# Altium PCB HYDRA_V4_LINK_OLD.PcbDoc (part 2 of 2) (continued)
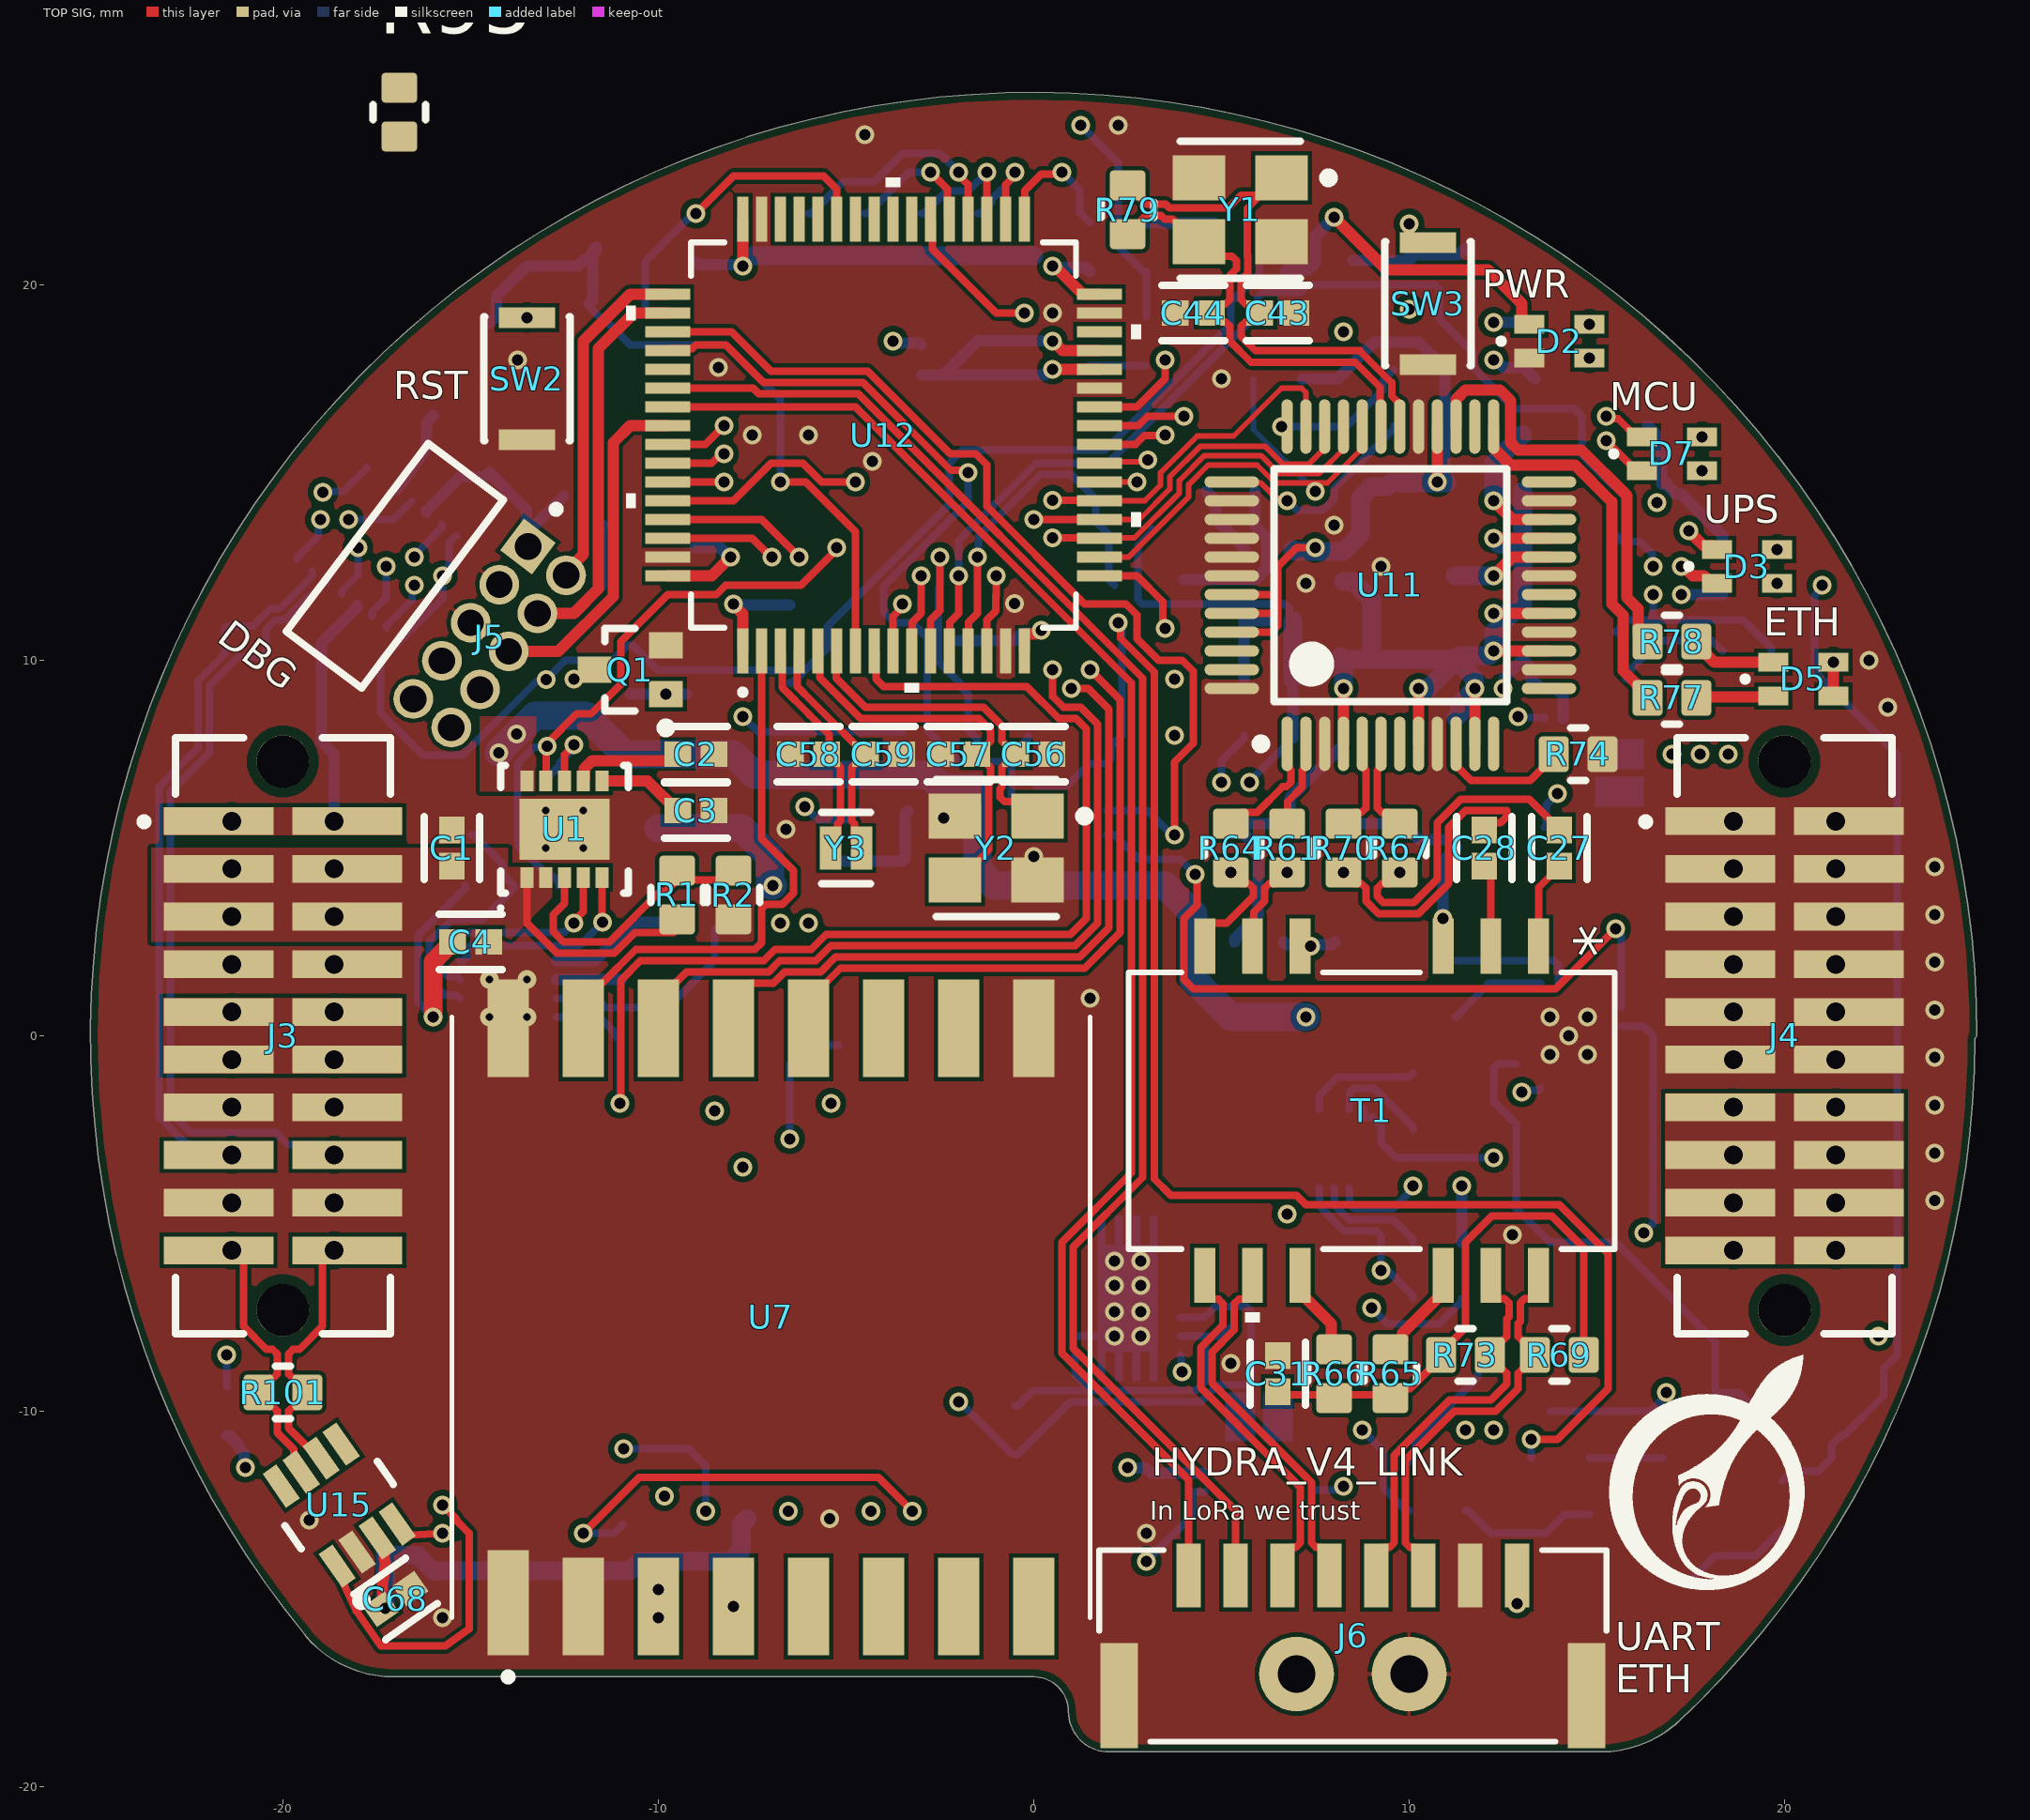
[diagram p0: TOP SIG view]
## Nets (pads, with @x,y where several pads share a name; then routed paths per layer and width w, separated by ;. In a path a pad name is that pad's centre, name@x,y a point inside that pad or via, vN(x,y) a via of type N, cw(c..) or ccw(c..) an arc to the next point about the centre after c; other vN are vias at no path point) (continued)
  BOTTOM SIG w0.2: R56.1@19.942,-11.85 20.192,-11.6 20.9,-11.6 21.249,-11.251 21.249,-10.9 21.499,-10.65 R57.2@21.5,-10.65 21.575,-10.65 22.643,-9.582 22.643,-8.866 23,-8.509 23,7.5 20.8,9.7 20.8,11.733 21,11.933 v1(21,12)
NetR58_2: R58.2 U10.8 | length 3.8
  BOTTOM SIG w0.2: R58.2@11.5,-12.65 11.575,-12.65 12.175,-13.25 13.645,-13.25 14.145,-12.75 U10.8@14.8,-12.75
NetR65_1: R65.1 T1.10 | length 2.6
  TOP SIG w0.3: R65.1@9.5,-8.35 9.575,-8.35 9.825,-8.1 9.825,-7.919 10.905,-6.839 T1.10@10.905,-6.381
NetR66_1: R66.1 T1.9 | length 2.3
  TOP SIG w0.3: T1.9@7.095,-6.381 7.095,-6.839 7.932,-7.676 7.932,-8.282 R66.1@8,-8.35
NetR74_1: R74.1 U11.10 | length 3.7
  TOP SIG w0.2: U11.10@11.25,7.775 11.25,7.2 11.65,6.8 13.225,6.8 13.85,7.425 R74.1@13.85,7.5
NetR81_2: R81.2 U12.17 | length 2.7
  TOP SIG w0.2: U12.17@1.75,12.25 2.75,12.25 3.443,11.557 3.443,10.907 v1(3.5,10.85)
NetR83_1: R83.1 R84.2 U12.26 | length 4.1
  TOP SIG w0.2: U12.26@1.75,16.75 2.75,16.75 3.5,17.5 v1(3.5,18)
  BOTTOM SIG w0.2: R84.2@1.5,17.85 R83.1@3,17.85
NetR93_2: R93.2 SW2.1
  other v1: -13.5,19.125
NetR98_2: R98.2 U13.9 | length 38.6
  PWR + INT SIG w0.2: v1(-17.25,12.5) -18.927,12.5 -19.802,13.375 -19.802,14.83 -19.33,15.302 -18.625,15.302 -18.463,15.14 -15.827,15.14 -15.467,15.5 -14.8,15.5 -14.798,15.502 -12.399,15.502 -12.005,15.108 -9.069,15.108 -8.75,15.427 -8.75,16.457 -4.007,21.2 5.8,21.2 v1(8.25,18.75)
  BOTTOM SIG w0.2: U13.9@-17.63,11.166 -17.63,11.285 -17.25,11.665 v1(-17.25,12.5)
NetU4_11: U4.11 U12.38 | length 60.4
  TOP SIG w0.2: U12.38@-2.75,21.75 -2.698,21.698 -2.698,20.948 -1,19.25 v1(-0.25,19.25)
  GND w0.2: v1@-0.25,19.233 -0.25,14.75 -0.8,14.2 -0.8,12.757 0,11.957 0,11.31 -0.31,11 -1.75,11 -3.79,8.96 -3.79,7.008 -3.625,6.842 -3.625,1.625 -4.797,0.453 -4.797,-1.203 -4.575,-1.425 -4.575,-2.125 -5.052,-2.602 -5.732,-2.602 -6.202,-2.132 -6.202,-1.925 -7.325,-0.802 -8.175,-0.802 -8.998,-1.625 -8.998,-2.825 -9.192,-3.019 -9.192,-11.181 -8.89,-11.484 -2.416,-11.484 -0.9,-13 2,-13 v1(3,-14)
  BOTTOM SIG w0.2: v1(3,-14) 4.225,-12.775 4.225,-12.198 4.275,-12.148 U4.11@4.55,-12.148
NetU7_4: U7.4 U12.14 | length 45.6
  TOP SIG w0.2: U12.14@-1.25,10.25 -1.25,11.073 -1.009,11.315 -1.009,11.716 -1,11.725 v1(-1,12.25)
  GND w0.2: v1(-8,-15.2) -6.173,-15.2 -3.84,-12.867 -3.84,-12.453 -4.508,-11.785 -9.015,-11.785 -9.494,-11.306 -9.494,-2.894 -9.3,-2.7 -9.3,-1.5 -8.3,-0.5 -7.2,-0.5 -5.9,-1.8 -5.9,-2.007 -5.607,-2.3 -5.177,-2.3 -4.9,-2.023 -4.9,-1.527 -5.098,-1.328 -5.098,0.578 -3.927,1.75 -3.927,6.717 -4.092,6.883 -4.092,9.158 v1(-1,12.25)
NetU7_15: U7.15 U12.2 | length 14.9
  TOP SIG w0.2: U7.15@-12,0.2 -12,0.95 -11.55,1.4 -11.5,1.4 -10.595,2.305 -7.422,2.305 -7.25,2.477 -7.25,3.383 -7.133,3.5 -6.7,3.5 -6.4,3.8 -6.4,4.4 -7.25,5.25 U12.2@-7.25,10.25
NetU8_11: U8.11 U12.24 | length 17.6
  TOP SIG w0.2: U12.24@1.75,15.75 2.708,15.75 2.95,15.992 3.499,15.992 v1(3.504,15.996)
  PWR + INT SIG w0.2: v1(3.504,15.996) 3.507,16 4.944,16 5.694,16.75 7,16.75 11.75,12 11.75,11.043 12.043,10.75 12.457,10.75 13.25,9.957 13.25,8.849 v1(12.901,8.5)
  BOTTOM SIG w0.2: v1(12.901,8.5) 12.926,8.475 13.602,8.475 U8.11@13.602,8.45
NetU12_30: U12.30
NetU12_39: U12.39
NetU12_40: U12.40
NetU12_41: U12.41
NetU12_42: U12.42
NetU12_44: U12.44
NetU12_45: U12.45
NetU12_46: U12.46
NetU12_53: U12.53
NetU12_57: U12.57 U13.14 | length 14.8
  TOP SIG w0.2: U12.57@-9.75,15.75 -8.75,15.75 v1(-8.25,16.25)
  GND w0.2: v1(-19,13.75) -18.957,13.75 -17.707,15 -9.5,15 v1(-8.25,16.25)
  BOTTOM SIG w0.2: U13.14@-19.627,12.671 -19.627,12.737 -19.057,13.306 -19.057,13.693 v1(-19,13.75)
NetU12_58: U12.58 U13.4 | length 18.3
  TOP SIG w0.2: U12.58@-9.75,15.25 -8.581,15.25 -8.331,15.5 v1(-8.25,15.5)
  PWR + INT SIG w0.2: v1(-18.25,13.75) -18.75,13.25 -19.25,13.25 -19.5,13.5 -19.5,14.706 -19.206,15 -18.75,15 -18.588,14.838 -15.702,14.838 -15.342,15.198 -14.675,15.198 -14.673,15.2 -12.523,15.2 -12.13,14.806 -8.944,14.806 v1(-8.25,15.5)
  BOTTOM SIG w0.2: v1(-18.25,13.75) -17.054,13.75 U13.4@-16.571,14.232
NetU12_59: U12.59 U13.1 | length 14.1
  TOP SIG w0.2: U12.59@-9.75,14.75 v1(-8.25,14.75)
  PWR + INT SIG w0.2: v1(-18.936,14.479) -18.914,14.5 -15.614,14.5 -15.217,14.897 -14.55,14.897 -14.549,14.898 -12.648,14.898 -12.255,14.505 -8.576,14.505 -8.331,14.75 v1(-8.25,14.75)
  BOTTOM SIG w0.2: v1(-18.936,14.479) -18.914,14.5 -18.388,14.5 -17.77,15.119 U13.1@-17.77,15.135
NetU12_61: U12.61 U15.4 | length 36.8
  TOP SIG w0.2: U15.4@-16.956,-13.006 -16.595,-13.303 v1(-15.75,-13.25) ; U12.61@-9.75,13.75 -7.25,13.75 v1(-6.25,12.75)
  GND w0.2: v1(-15.75,-13.25) -15.698,-13.302 -13.125,-13.302 -12.377,-12.553 -12.377,-0.553 -7.098,4.725 -7.098,5.875 -6.255,6.719 -6.255,12.745 v1(-6.25,12.75)
NetU12_62: U12.62 U15.1 | length 42.9
  TOP SIG w0.2: U15.1@-18.553,-14.124 -18.397,-14.564 -18.061,-15.289 ccw(c-17.878,-15.204) -18.043,-15.32 -17.392,-16.25 -15.67,-16.25 -15.038,-15.799 -15.038,-13.256 -15.377,-12.917 -15.377,-12.873 v1(-15.75,-12.5) ; U12.62@-9.75,13.25 -7.5,13.25 -7.003,12.753 v1(-6.97,12.753)
  GND w0.2: v1(-15.75,-12.5) -15.696,-12.5 -15.196,-13 -13.25,-13 -12.678,-12.428 -12.678,-0.428 -7.4,4.85 -7.4,6 -6.6,6.8 -6.6,12.35 -6.97,12.72 v1(-6.97,12.753)
NetU15_5: U15.5
NetU15_8: U15.8
nLINK_LED: R77.1 U11.25 | length 9.9
  TOP SIG w0.3: U11.25@12.25,16.225 12.25,15.65 12.7,15.2 14.418,15.2 15.398,14.22 15.398,11.502 15.698,11.202 15.698,9.727 16.35,9.075 R77.1@16.35,9
nREG_FLT: R47.1 U8.6 U9.4 | length 24
  PWR + INT SIG w0.3: 10,-12.65 10.003,-12.647 ; v1(13,-1.5) 12.7,-1.2 12.7,5.8 13.352,6.452 v1(13.952,6.452)
  GND w0.3: v1(8.75,-10.5) 10.8,-8.45 10.8,-3.7 v1(13,-1.5)
  BOTTOM SIG w0.2: v1(8.75,-10.5) 9.323,-11.073 9.323,-12.048 9.925,-12.65 R47.1@10,-12.65 ; v1(13,-1.5) 13.05,-1.45 13.475,-1.45 13.5,-1.425 U9.4@13.5,-1.4 ; U8.6@13.602,5.55 13.652,5.6 13.652,6.152 v1(13.952,6.452)
nSHDN: D1.1 R7.1 R8.2 U1.5 U2.5 | length 17
  TOP SIG w0.2: U1.5@-11.5,4.215 -11.496,4.211 -11.496,3.023 v1(-11.491,3.019)
  PWR + INT SIG w0.3: v1(-11.491,3.019) -11.481,3.019 -7.75,6.75 v1(-7.75,8.5)
  BOTTOM SIG w0.2: U2.5@-15.285,2 -15.185,2 -15.11,2.075 -15.11,2.284 -14.993,2.402 -12.098,2.402 -11.491,3.009 v1(-11.491,3.019) ; v1(-7.75,8.5) -7.35,8.1 R7.1@-6.5,8.1 R8.2@-5,8.1 D1.1@-3.486,8.1
PG_N: D3.1 U3.5 | length 41
  TOP SIG w0.3: v1(17.25,12.5) 17.304,12.5 17.554,12.25 17.85,12.25 18.05,12.05 D3.1@18.2,12.05
  PWR + INT SIG w0.2: v1(12.25,-3.25) 17.405,-8.405 21.095,-8.405 22.841,-6.659 22.841,6.773 18.4,11.214 18.4,12.286 18.224,12.462 17.288,12.462 v1(17.25,12.5)
  BOTTOM SIG w0.2: U3.5@8.8,-1.95 8.8,-2.165 8.815,-2.18 9.03,-2.18 9.25,-2.4 9.25,-2.85 9.65,-3.25 v1(12.25,-3.25)
PRE_3V3: C4.1 J1.09 J1.10 J1.11 J1.12 J3.09 J3.10 J3.11 J3.12 R9.1 U2.1 U2.2 | length 6.4
  TOP SIG w0.5: v1(-16,0.5) -16,1.979 -15.586,2.392 -15.586,2.414 -15.5,2.5 C4.1@-15.479,2.5
  BOTTOM SIG w0.2: v1(-16,0.5) -16.4,0.9 -16.4,2.675 -15.15,3.925 R9.1@-15.15,4
  other v2: -21.365,-0.635 -18.635,-0.635 -21.365,0.635 -18.635,0.635
PRE_5V: C1.1 J1.03 J1.04 J1.05 J1.06 J3.03 J3.04 J3.05 J3.06 R1.1 U1.1 U1.2 | length 5.8
  TOP SIG w0.2: U1.1@-13.5,4.215 -13.5,3 -12.7,2.2 -11.177,2.2 -10.626,2.751 -9.599,2.751 R1.1@-9.5,2.85
  other v2: -21.365,3.175 -18.635,3.175 -21.365,4.445 -18.635,4.445
PWR_nFLT: D2.4 Q5.3 U1.4 U2.4 | length 54.1
  TOP SIG w0.2: v1(-12.25,3.002) -12.25,3.054 -12,3.304 U1.4@-12,4.215
  TOP SIG w0.3: v1(8,21.8) 9.4,20.4 12.1,20.4 13,19.5 13,19.05 13.1,18.95 D2.4@13.2,18.95
  GND w0.3: v1(-12.25,3.002) -12.25,3 -11.5,2.25 -10.5,2.25 -7.752,4.998 -7.752,6.146 -6.952,6.946 -6.952,11.924 -7.529,12.502 -7.529,12.971 -3.102,17.398 -3.102,22.574 -3.3,22.772 -3.3,23.228 -2.976,23.552 1.048,23.552 1.8,22.8 7,22.8 v1(8,21.8)
  BOTTOM SIG w0.2: U2.4@-15.285,1.5 -15.36,1.575 -15.595,1.575 -15.797,1.777 -15.797,2.303 -15.35,2.75 -12.517,2.75 -12.266,3.002 v1(-12.25,3.002)
  BOTTOM SIG w0.3: Q5.3@6.7,20.35 6.75,20.4 7.324,20.4 7.5,20.576 7.5,21.3 v1(8,21.8)
PYRO_PWR: F2.1 J2.13 J2.14 J2.15 J2.16 J2.17 J2.18 J2.19 J2.20 J4.13 J4.14 J4.15 J4.16 J4.17 J4.18 J4.19 J4.20
  other v1: 17,7.5 17.75,7.5 18.5,7.5
  other v2: 18.635,-5.715 21.365,-5.715 18.635,-4.445 21.365,-4.445 18.635,-3.175 21.365,-3.175 18.635,-1.905 21.365,-1.905
RAW_RX_N: R70.2 U11.5 | length 2.5
  TOP SIG w0.2: R70.2@8.25,5.65 8.55,5.95 8.732,5.95 8.849,6.067 8.849,6.333 8.849,7.074 8.75,7.173 U11.5@8.75,7.775
RAW_RX_P: R67.2 U11.6 | length 2.5
  TOP SIG w0.2: U11.6@9.25,7.775 9.25,7.173 9.151,7.074 9.151,6.458 9.151,6.067 9.268,5.95 9.45,5.95 R67.2@9.75,5.65
RAW_TX_N: R64.2 U11.1 | length 3.1
  TOP SIG w0.2: R64.2@5.25,5.65 5.55,5.95 5.948,5.95 6.631,6.633 6.732,6.633 6.849,6.75 6.849,7.074 6.75,7.173 U11.1@6.75,7.775
RAW_TX_P: R61.2 U11.2 | length 2.3
  TOP SIG w0.2: R61.2@6.75,5.65 6.759,5.659 6.759,6.233 7.151,6.625 7.151,7.074 7.25,7.173 U11.2@7.25,7.775
REG_3V3: C11.1 C12.1 C13.1 U5.3 U5.4 U5.5 U6.6
REG_EN: Q3.6 R46.1 U9.13 | length 20.2
  TOP SIG w0.2: v1(4.3,4.3) 4.347,4.253 4.347,3.475 4,3.128 4,1.5 4.25,1.25 13.9,1.25 v1(15.5,2.85)
  BOTTOM SIG w0.2: Q3.6@1.95,5.35 2.15,5.35 2.8,4.7 3.9,4.7 v1(4.3,4.3) ; v1(15.5,2.85) 15.65,2.7 U9.13@15.65,0.75
REG_OUT: C21.1 C22.1 L2.2 R47.2 R55.1 U9.14 U10.6 | length 43.8
  PWR + INT SIG w0.3: v1@3.65,8 11.168,8 12.118,7.05 14.132,7.05 14.5,6.682 14.5,6.502 14.502,6.5 14.502,5.934 14.268,5.7 13.4,5.7 13.102,5.402 13.102,-0.802 13.6,-1.3 13.6,-4 14.812,-5.212 16.212,-5.212 v1(16.25,-5.25)
  GND w0.2: v1(16.25,-5.25) 16.25,-8.9 v1(16.85,-9.5)
  BOTTOM SIG w0.2: R47.2@10,-11.35 10.159,-11.191 10.159,-10.767 11.826,-9.101 C22.1@11.826,-9 ; 13.75,-10 16.425,-10 16.85,-9.575 v1(16.85,-9.5) ; U9.14@15.65,0.25 16.25,0.25 16.5,0 16.5,-5 v1(16.25,-5.25)
  other v1: 3.75,8
RESETN: C61.1 J5.10 R93.1 R95.2 U12.7 | length 31.4
  TOP SIG w0.2: v1(-6.75,14.75) -6.077,14.75 -4.75,13.423 U12.7@-4.75,10.25
  GND w0.2: J5.10@-15.514,8.207 -14.73,8.207 -13.49,9.447 -13.49,9.697 -8.937,14.25 -7.169,14.25 -6.75,14.669 v1(-6.75,14.75)
  BOTTOM SIG w0.2: R93.1@-11.85,19.5 -11.85,19.425 -11.55,19.125 -11.475,19.125 -10.752,18.402 -10.616,18.402 -10.615,18.4 -8.2,18.4 -6.75,16.95 v1(-6.75,14.75)
  BOTTOM SIG w0.3: C61.1@-14.5,18.979 -14.314,19.165 -14.314,19.686 -13.5,20.5 -12.15,20.5 -11.975,20.675 -11.9,20.675 -11.65,20.925 -11.65,21 -11.75,20.9 -11.75,19.6 R93.1@-11.85,19.5
RFD_RX: J6.1 U12.55 | length 41.3
  TOP SIG w0.2: U12.55@-9.75,16.75 -4.75,16.75 2.605,9.395 2.605,-3.645 0.75,-5.5 0.75,-8.45 4.125,-11.825 4.125,-14.274 J6.1@4.125,-14.374
RFD_TX: J6.2 U12.54 | length 42.3
  TOP SIG w0.2: U12.54@-9.75,17.25 -7.477,17.25 -7.323,17.097 -4.67,17.097 2.906,9.52 2.906,-3.77 1.052,-5.625 1.052,-8.325 5.375,-12.648 5.375,-14.274 J6.2@5.375,-14.374
RX_CT: C30.1 R68.2 R72.1 T1.3 | length 5.3
  BOTTOM SIG w0.3: R72.1@8.25,5.65 9.825,5.65 10.246,5.229 11.064,5.229 11.25,5.043 11.25,5 10.905,4.655 v1(10.905,3.118)
RX_N: C28.1 R70.1 R72.2 | length 7.9
  TOP SIG w0.2: v1(8.25,4.35) 8.55,4.05 8.732,4.05 8.849,3.933 8.849,3.584 9.183,3.25 10.25,3.25 10.427,3.427 10.875,3.875 11.052,4.052 11.052,5.552 11.5,6 12.6,6 12.6,5.834 12.436,5.671 12.192,5.671 C28.1@12,5.479
RX_P: C27.1 R67.1 R68.1 | length 8.3
  TOP SIG w0.2: v1(9.75,4.35) 9.45,4.05 9.268,4.05 9.151,3.933 9.151,3.709 9.308,3.552 10.125,3.552 10.75,4.177 10.75,5.677 11.375,6.302 13.198,6.302 14,5.5 C27.1@14,5.479
SD_CD: R41.2 SD1.9 U12.33 | length 31.4
  TOP SIG w0.2: U12.33@-0.25,21.75 -0.238,21.762 -0.238,22.512 0.2,22.95 0.7,22.95 v1(0.75,23)
  GND w0.2: v1(-5.4,-1.8) -5.4,0.703 -4.228,1.875 -4.228,6.592 -4.394,6.758 -4.394,11.443 -3.5,12.337 -3.5,12.894 -2.527,13.867 -2.527,15.767 -1.544,16.75 -1.544,21.206 0.2,22.95 0.7,22.95 v1(0.75,23)
  BOTTOM SIG w0.2: v1(0.75,23) 1.225,22.525 1.225,21.925 R41.2@1.5,21.65
SD_CLK: R39.2 SD1.5 U12.35 | length 48.6
  TOP SIG w0.2: U12.35@-1.25,21.75 v1(-1.25,23)
  GND w0.2: v1(-6.54,-12.66) -7.04,-12.16 -8.96,-12.16 -9.56,-12.76 -10.047,-12.76 -10.34,-12.467 -10.34,-11.572 -10.097,-11.329 -10.097,-2.557 -9.903,-2.363 -9.903,-0.767 -9.903,-0.577 -7.45,1.877 -5.079,1.877 -4.831,2.125 -4.831,6.343 -4.997,6.508 -4.997,11.693 -4.103,12.587 -4.103,13.144 -3.13,14.117 -3.13,16.017 -2.147,17 -2.147,22.103 v1(-1.25,23)
  BOTTOM SIG w0.2: R39.2@-3,21.9 -2.925,21.9 -2.323,22.502 -2,22.502 -1.748,22.502 v1(-1.25,23)
SD_CMD: R36.2 SD1.3 U12.37 | length 46
  TOP SIG w0.2: v1(-2.75,23) -2.302,22.552 -2.302,21.802 U12.37@-2.25,21.75
  GND w0.2: v1(-10.925,-11) -10.925,-2.532 -10.506,-2.113 -10.506,-0.517 -10.506,-0.327 -7.7,2.48 -5.552,2.48 -5.435,2.597 -5.435,6.093 -5.6,6.258 -5.6,11.943 -4.706,12.836 -4.706,13.394 -3.75,14.35 -3.75,16.25 -2.75,17.25 v1(-2.75,23)
  BOTTOM SIG w0.2: v1(-10.925,-11) -9.2,-11 -8.74,-11.46 v1(-8.74,-12.66) ; R36.2@-4.5,21.9 -4.425,21.9 -3.325,23 v1(-2.75,23)
SD_CS: R40.2 SD1.2 U12.34 | length 43.6
  TOP SIG w0.2: U12.34@-0.75,21.75 -0.75,22.669 -0.5,22.919 v1(-0.5,23)
  GND w0.2: v1(-9.84,-12.26) -9.795,-12.215 -9.795,-2.695 -9.602,-2.502 -9.602,-0.702 -7.325,1.575 -4.955,1.575 -4.53,2 -4.53,6.467 -4.695,6.633 -4.695,11.568 -3.802,12.462 -3.802,13.019 -2.828,13.992 -2.828,15.892 -1.845,16.875 -1.845,21.655 v1(-0.5,23)
  BOTTOM SIG w0.2: R40.2@-1.5,21.9 -1.425,21.9 -1.125,22.2 -1.125,22.275 -0.557,22.843 -0.557,22.943 v1(-0.5,23)
SD_DAT0: R37.2 SD1.7 U12.36 | length 53.8
  TOP SIG w0.2: v1(-2,23.002) -2,22.92 -1.75,22.67 U12.36@-1.75,21.75
  GND w0.2: v1(-4.34,-12.66) -5.04,-13.36 -9.874,-13.36 -10.642,-12.592 -10.642,-11.447 -10.4,-11.206 -10.4,-2.434 -10.205,-2.238 -10.205,-0.642 -10.205,-0.452 -7.575,2.178 -5.25,2.178 -5.133,2.295 -5.133,6.218 -5.298,6.383 -5.298,11.818 -4.405,12.712 -4.405,13.269 -3.431,14.242 -3.431,16.142 -2.448,17.125 -2.448,22.552 -2,23 v1(-2,23.002)
  BOTTOM SIG w0.2: R37.2@-6,21.9 -5.925,21.9 -5.075,22.75 -4.25,22.75 -3.5,23.5 -2.498,23.5 v1(-2,23.002)
SD_DAT_PULL_UP: R38.2 SD1.1 SD1.8 | length 26
  TOP SIG w0.2: v1(-12,-13.25) -10.51,-11.76 -4.14,-11.76 v1(-3.24,-12.66)
  GND w0.3: v1(-21.5,-8.5) -21.5,-8.554 -21.75,-8.804 -21.75,-11.528 -19.278,-14 -15.75,-14 -15.5,-13.75 -13,-13.75 -12.5,-13.25 v1(-12,-13.25)
  BOTTOM SIG w0.2: R38.2@-21.5,-9.35 v1(-21.5,-8.5) ; v1(-12,-13.25) -11.18,-13.25 SD1.1@-10.94,-13.01
SWCLK: J5.04 R85.1 U12.50 | length 14.2
  TOP SIG w0.3: J5.04@-13.221,11.25 -12.25,11.25 -11.598,11.902 -11.598,18.302 -10.65,19.25 U12.50@-9.75,19.25
  BOTTOM SIG w0.3: J5.04@-13.221,11.25 -12.25,11.25 -11.526,11.974 -11.526,13.564 R85.1@-11.481,13.609
SWDIO: J5.02 U12.49 | length 9.2
  TOP SIG w0.3: J5.02@-12.457,12.264 -12.457,12.363 -12,12.82 -12,18.5 -10.75,19.75 U12.49@-9.75,19.75
SWO: J5.06 U12.56 | length 9.1
  TOP SIG w0.3: J5.06@-13.986,10.236 -12.664,10.236 -11.197,11.703 -11.197,15.803 -10.75,16.25 U12.56@-9.75,16.25
TX_CT: C29.1 R76.2 T1.4 | length 1.5
  BOTTOM SIG w0.3: R76.2@6.65,2.5 6.73,2.42 7.336,2.42 v1(7.374,2.382) 7.413,2.42 7.941,2.42 C29.1@8.021,2.5
TX_N: R63.2 R64.1 T1.6 | length 3.1
  TOP SIG w0.2: T1.6@4.555,2.382 4.555,2.817 4.734,2.996 5.137,2.996 5.849,3.709 5.849,3.933 5.732,4.05 5.55,4.05 v1(5.25,4.35)
TX_P: R60.1 R61.1 T1.5 | length 2.5
  TOP SIG w0.2: T1.5@5.825,2.382 5.868,2.425 5.868,3.301 6.151,3.584 6.151,3.933 6.268,4.05 6.45,4.05 v1(6.75,4.35)
VBAT: C9.1 C10.1 R24.1 U3.10 U4.3 U4.4 U5.10 U5.11 | length 25
  GND w0.2: v1(6.75,-4.75) 6.75,0.707 7.043,1 10.753,1 15.398,5.646 15.398,11.398 v1(16.5,12.5)
  BOTTOM SIG w0.2: R24.1@15.5,13.35 15.685,13.165 16.156,13.165 16.471,12.849 16.471,12.529 v1(16.5,12.5)
VBAT_IN: F1.1 pad.3
VCC: C63.1 J1.01 J1.02 J3.01 J3.02 R16.1 R26.1 R83.2 R96.2 U13.10 | length 62.6
  GND w0.3: v2(-21.365,5.715) -21.365,11.854 -20.269,12.95 -20.269,13.981 -17.25,17 -13,17 -7.5,22.5 -4.75,22.5 -3.25,24 0.974,24 1.224,24.25 v1(1.25,24.25) 1.288,24.212 1.288,23.912 1.93,23.27 7.33,23.27 10,20.6 v1(10,19.35) 10.35,19 v1(12.25,19)
  BOTTOM SIG w0.2: v1(1.25,24.25) 2.25,23.25 2.25,21.025 2.925,20.35 R26.1@3,20.35 R83.2@3,19.15
  BOTTOM SIG w0.3: U13.10@-18.029,11.467 -18.029,11.4 -18.979,10.451 C63.1@-18.979,9.5 -18.979,7.839 -18.635,7.496 v2(-18.635,5.715) -18.22,5.715 J1.02@-18,5.935 ; v1(12.25,19) R16.1@13.35,19
VDDA: C50.1 C51.1 C54.1 C55.1 FB2.2 U12.28 U12.29 | length 9.4
  TOP SIG w0.3: v1(0.5,17.75) U12.28@1.75,17.75 ; v1(0.5,18.5) 0.518,18.5 0.768,18.25 U12.29@1.75,18.25
  BOTTOM SIG w0.3: FB2.2@-3,17.6 -2.4,17.6 ; C50.1@-1.5,18.5 -2.4,17.6 ; C50.1@-1.5,18.521 -1.489,18.511 0.489,18.511 v1(0.5,18.5) ; v1(0.5,17.75) 0.446,17.75 0.296,17.6 -2.4,17.6
VINA: C14.1 R30.1 U5.1 U5.13 | length 9.2
  BOTTOM SIG w0.2: R30.1@-0.5,-9.85 -0.425,-9.85 -0.023,-9.448 1.523,-9.448 ; U5.1@1.1,-8.5 1.1,-9.025 1.523,-9.448 ; U5.13@3.9,-8 4.75,-8 ; C14.1@5.25,-7.771 5.021,-8 4.75,-8 ; 1.523,-9.448 4.325,-9.448 4.581,-9.193 4.581,-8.169 4.75,-8
X32_N: C59.1 U12.4 Y3.2 | length 6.3
  TOP SIG w0.2: U12.4@-6.25,10.25 -6.302,10.198 -6.302,9.302 -5.856,8.856 -5.232,8.232 -4.936,7.936 C59.1@-4.5,7.5 ; Y3.2@-4.587,5 -4.775,5.188 -4.775,5.644 -4.849,5.718 -4.849,7.151 C59.1@-4.5,7.5 ; C59.1@-4.479,7.5 C59.1@-4.5,7.5
X32_P: C58.1 U12.3 Y3.1 | length 6.1
  TOP SIG w0.2: U12.3@-6.75,10.25 -6.698,10.198 -6.698,9.271 -5.981,8.555 -5.446,8.019 -5.446,7.554 C58.1@-5.5,7.5 ; C58.1@-5.521,7.5 C58.1@-5.5,7.5 ; Y3.1@-5.413,5 -5.225,5.188 -5.225,5.644 -5.151,5.718 -5.151,7.151 C58.1@-5.5,7.5
X_N: C56.1 U12.6 Y2.1 | length 9.1
  TOP SIG w0.2: U12.6@-5.25,10.25 -5.26,10.24 -5.26,9.525 -4.485,8.75 -1.338,8.75 -0.849,8.261 -0.849,7.849 C56.1@-0.5,7.5 ; C56.1@-0.479,7.5 C56.1@-0.5,7.5 ; Y2.1@0.1,5.85 -0.286,6.236 -0.78,6.236 -0.897,6.353 -0.897,6.577 -0.849,6.625 -0.849,7.151 C56.1@-0.5,7.5
X_P: C57.1 U12.5 Y2.3 | length 10.6
  TOP SIG w0.2: U12.5@-5.75,10.25 -5.698,10.198 -5.698,9.536 -4.61,8.448 -1.463,8.448 -1.151,8.136 -1.151,7.849 C57.1@-1.5,7.5 ; Y2.3@-2.1,4.15 -2,4.15 -1.193,4.957 -1.193,6.223 -1.198,6.228 -1.198,6.702 -1.151,6.75 -1.151,7.151 C57.1@-1.5,7.5 ; C57.1@-1.521,7.5 C57.1@-1.5,7.5
pads on no net: J1. J2. J3. J4. J5.07 J5.08 J5.09 U3.6 U7.5 U7.6 U7.7 U7.8 U7.10 U7.11 U9.17@14.25,0 U11.7 U11.12 U11.13 U11.18 U11.24 U11.26 U11.46 U11.47
copper on no net:
  other v1: 11.5,-10.5 12.25,-10.5

## Polygon pours and split planes (outlines as drawn)
GND on TOP SIG "GND_L01_P080" (solid, remove dead copper, pour order 80): -17.004,-17.075 0,-17.076 0.006,-17.075 cw(c0,-18) 0.925,-17.999 0.925,-18 ccw(c2,-18) 2,-19.075 15.1,-19.075 ccw(c15.1,-16) 17.058,-18.372 17.083,-18.356 ccw(c0,0) 25.075,-0.071 25.126,0 ccw(c0,0) -19.423,-15.939 -19.406,-15.977 ccw(c-17.05,-14)
PYRO_PWR on TOP SIG "PYRO_PWR_L01_P079" (solid, remove dead copper, pour order 79): 16.825,-1.535 23.175,-1.535 23.175,-6.085 16.825,-6.085
VCC on TOP SIG "VCC_L01_P078" (solid, remove dead copper, pour order 78): -23.175,6.085 -23.175,5.345 -16.825,5.345 -16.825,6.085
PRE_3V3 on TOP SIG "PRE_3V3_L01_P064" (solid, remove dead copper, pour order 64): -23.175,1.005 -16.825,1.005 -16.825,-1.005 -23.175,-1.005
PRE_5V on TOP SIG "PRE_5V_L01_P059" (solid, remove dead copper, pour order 59): -12.825,3.675 -14,2.5 -23.5,2.5 -23.5,5 -14,5 -14,4.5 -13.99,4.49 -12.825,4.49
5V on TOP SIG "5V_L01_P031" (solid, remove dead copper, pour order 31): -14.75,6.5 -13.25,6.5 -13.25,8.5 -14.75,8.5
GND on PWR + INT SIG "GND_L02_P071" (solid, remove dead copper, pour order 71): -17.004,-17.075 0,-17.076 0.006,-17.075 cw(c0,-18) 0.925,-17.999 0.925,-18 ccw(c2,-18) 2,-19.075 15.1,-19.075 ccw(c15.1,-16) 17.058,-18.372 17.083,-18.356 ccw(c0,0) 25.075,-0.071 25.126,0 ccw(c0,0) -19.423,-15.939 -19.406,-15.977 ccw(c-17.05,-14)
5V on PWR + INT SIG "5V_L02_P053" (solid, remove dead copper, pour order 53): -16.5,8.5 -16.5,5 -18.25,5 -18.25,-13 -14.5,-13 -14.5,2 -13.5,2 -13.5,8.5
PYRO_PWR on PWR + INT SIG "PYRO_PWR_L02_P070" (solid, remove dead copper, pour order 70): 16.825,-1.535 23.175,-1.535 23.175,-6.085 16.825,-6.085
VCC on PWR + INT SIG "VCC_L02_P069" (solid, remove dead copper, pour order 69): -23.175,6.085 -23.175,5.345 -16.825,5.345 -16.825,6.085
PRE_5V on PWR + INT SIG "PRE_5V_L02_P068" (solid, remove dead copper, pour order 68): -23.175,4.815 -16.825,4.815 -16.825,2.805 -23.175,2.805
PRE_3V3 on PWR + INT SIG "PRE_3V3_L02_P067" (solid, remove dead copper, pour order 67): -23.175,1.005 -16.825,1.005 -16.825,-1.005 -23.175,-1.005
INT_3V3 on PWR + INT SIG "INT_3V3_L02_P050" (solid, remove dead copper, pour order 50): -8.25,-3.75 -7,-3.75 -7,-2.25 -5.5,-2.25 -5.5,2 -5.5,3.5 -8.25,3.5
GND on BOTTOM SIG "GND_L04_P077" (solid, remove dead copper, pour order 77): -17.004,-17.075 0,-17.076 0.006,-17.075 cw(c0,-18) 0.925,-17.999 0.925,-18 ccw(c2,-18) 2,-19.075 15.1,-19.075 ccw(c15.1,-16) 17.058,-18.372 17.083,-18.356 ccw(c0,0) 25.075,-0.071 25.126,0 ccw(c0,0) -19.423,-15.939 -19.406,-15.977 ccw(c-17.05,-14)
PYRO_PWR on BOTTOM SIG "PYRO_PWR_L04_P074" (solid, remove dead copper, pour order 74): 16.825,-1.535 23.175,-1.535 23.175,-6.085 16.825,-6.085
PRE_5V on BOTTOM SIG "PRE_5V_L04_P065" (solid, remove dead copper, pour order 65): -23.175,4.815 -16.825,4.815 -16.825,2.805 -23.175,2.805
VCC on BOTTOM SIG "VCC_L04_P072" (solid, remove dead copper, pour order 72): -23.175,6.085 -23.175,5.345 -16.825,5.345 -16.825,6.085
no net on BOTTOM SIG "NONET_L04_P054" (solid, remove dead copper, pour order 54): 13.75,-12 13.75,-11.5 12.75,-11.5 12.75,-10 10.75,-10 10.75,-12
VBAT_IN on BOTTOM SIG "VBAT_IN_L04_P062" (solid, remove dead copper, pour order 62): 2.5,-16 5.75,-16 5.75,-18.25 8.25,-18.25 8.25,-14.5 2.5,-14.5
PYRO_PWR on BOTTOM SIG "PYRO_PWR_L04_P048" (solid, remove dead copper, pour order 48): 16.5,10.25 16.5,7 19,7 19,10.25
NetL2_1 on BOTTOM SIG "NETL2_1_L04_P020" (solid, remove dead copper, pour order 20): 13,-4.25 13,-2 13.75,-2 13.75,-1 15.5,-1 15.5,-4.25
NetF1_2 on BOTTOM SIG "NETF1_2_L04_P037" (solid, remove dead copper, pour order 37): 2.5,-16 2.5,-11 6,-11 6,-9.5 0.5,-9.5 0.5,-16
INT_3V3 on BOTTOM SIG "INT_3V3_L04_P049" (solid, remove dead copper, pour order 49): -4.75,0.5 -4.75,0 -7.25,0 -7.25,-4 -8.25,-4 -8.25,0.5
REG_OUT on BOTTOM SIG "REG_OUT_L04_P044" (solid, remove dead copper, pour order 44): 12,-8.25 12,-5.75 15.5,-5.75 15.5,-8.25 14.5,-8.25 14.5,-11.25 16,-11.25 16,-12 13.5,-12 13.5,-10.5 11,-10.5 11,-8.25
PRE_3V3 on BOTTOM SIG "PRE_3V3_L04_P029" (solid, remove dead copper, pour order 29): -22.5,1 -22.5,-1 -15,-1 -15,1
INT_3V3 on BOTTOM SIG "INT_3V3_L04_P051" (solid, remove dead copper, pour order 51): -1.5,0 1,0 1,3.5 -7.25,3.5 -7.25,2 -1.5,2
NetF2_2 on BOTTOM SIG "NETF2_2_L04_P046" (solid, remove dead copper, pour order 46): 14.5,7 14.5,10.25 16.5,10.25 16.5,7
NetC23_1 on BOTTOM SIG "NETC23_1_L04_P045" (solid, remove dead copper, pour order 45): 14.5,5 14.5,7 16.5,7 16.5,3.5 14.75,3.5 14.75,2.25 15.5,2.25 15.5,1 13.75,1 13.75,1.75 13.25,1.75 13.25,5
NetC26_2 on BOTTOM SIG "NETC26_2_L04_P042" (solid, remove dead copper, pour order 42): 15.25,-13.5 15.25,-12.5 12.75,-12.5 12.75,-12 16,-12 16,-13.5 19,-13.5 19,-15.5 14,-15.5 14,-13.5
AUX_RADIO_PWR on BOTTOM SIG "AUX_RADIO_PWR_L04_P040" (solid, remove dead copper, pour order 40): 12.25,-13.75 12.25,-16.25 14,-16.25 14,-13.75
5V on BOTTOM SIG "5V_L04_P039" (solid, remove dead copper, pour order 39): 8,1.25 8,-1.5 7.5,-1.5 7.5,-2.5 6.5,-2.5 6.5,1.25
NetL1_2 on BOTTOM SIG "NETL1_2_L04_P034" (solid, remove dead copper, pour order 34): 0.25,-6.25 0.25,-0.75 2.75,-0.75 2.75,-4.5 1.5,-4.5 1.5,-6.25
VBAT on BOTTOM SIG "VBAT_L04_P036" (solid, remove dead copper, pour order 36): 7.5,-3.5 6.5,-3.5 6.5,-4.5 4.5,-4.5 4.5,-6.25 3.5,-6.25 3.5,-7.25 6,-7.25 6,-11 7.5,-11
NetL1_1 on BOTTOM SIG "NETL1_1_L04_P035" (solid, remove dead copper, pour order 35): 4.5,-6.25 4.5,-4.5 6.5,-4.5 6.5,-0.75 3.5,-0.75 3.5,-6.25
REG_3V3 on BOTTOM SIG "REG_3V3_L04_P033" (solid, remove dead copper, pour order 33): -1.5,-1 0.25,-1 0.25,0 -1.5,0 -1.5,1 -6,1 -6,0.5 -3.25,0.5 -3.25,-7.75 1.5,-7.75 1.5,-6.25 0.25,-6.25 0.25,-4.5 -1.5,-4.5
3V3_OUT on BOTTOM SIG "3V3_OUT_L04_P032" (solid, remove dead copper, pour order 32): -12,-2.5 -9,-2.5 -9,1 -6,1 -6,0.5 -8.25,0.5 -8.25,-4 -15,-4 -15,-0.5 -13,-0.5 -13,0.5 -12,0.5
GND on GND "GND_L03_P075" (solid, remove dead copper, pour order 75): -17.004,-17.075 0,-17.076 0.006,-17.075 cw(c0,-18) 0.925,-17.999 0.925,-18 ccw(c2,-18) 2,-19.075 15.1,-19.075 ccw(c15.1,-16) 17.058,-18.372 17.083,-18.356 ccw(c0,0) 25.075,-0.071 25.126,0 ccw(c0,0) -19.423,-15.939 -19.406,-15.977 ccw(c-17.05,-14)
PRE_5V on GND "PRE_5V_L03_P076" (solid, remove dead copper, pour order 76): -23.175,4.815 -16.825,4.815 -16.825,2.805 -23.175,2.805
VCC on GND "VCC_L03_P073" (solid, remove dead copper, pour order 73): -23.175,6.085 -23.175,5.345 -16.825,5.345 -16.825,6.085
PRE_3V3 on GND "PRE_3V3_L03_P066" (solid, remove dead copper, pour order 66): -23.175,1.005 -16.825,1.005 -16.825,-1.005 -23.175,-1.005
PYRO_PWR on GND "PYRO_PWR_L03_P056" (solid, remove dead copper, pour order 56): 16,6 16,10.5 25.5,10.5 25.5,-6.5 18,-6.5 18,-1 20,-1 20,6

## Silkscreen, mask and mechanical layers (free items; w line width, h text height)
Top Overlay:
  region: 980 vertices and 2 holes, not listed, extent 15.33,-14.765 20.53,-8.499
  text "PWR" at 11.95,19.65 h0.75
  text "RST" at -17.05,16.95 h0.75
  text "MCU" at 15.35,16.65 h0.75
  text "UPS" at 17.85,13.65 h0.75
  text "ETH" at 19.45,10.65 h0.75
  text "DBG" at -21.79,10.53 h0.75 r323
  text "HYDRA_V4_LINK" at 3.15,-11.725 h0.75
  text "In LoRa we trust" at 3.1,-12.9 h0.5
  text "UART / ETH" at 15.5,-17.5 h0.75
Bottom Overlay:
  text "AUX BATT" at 11.374,-15.35 h0.75
  text "+" at 5.35,-17.375 h0.75
  text "-" at 11.4,-17.375 h0.75
Mechanical 1:
  circle w0.1: c0,0 r27
  lines w0.15: -19.348,-15.928 ccw(c-17.05,-14) -17.05,-17 ; -19.34,-15.921 cw(c0,0) 25.05,0 ; -17.004,-17 0,-17 cw(c0,-18) 1,-18 ccw(c2,-18) 2,-19 15.1,-19 ccw(c15.1,-16) 17.028,-18.298 ; 17.031,-18.301 ccw(c0,0) 25,0

## Text inside footprints (layer, text, board x,y; h text height)
T1: Top 3D Body "*" at 14.004,1.493 h1.27 r270; Top Overlay "*" at 13.877,2.953 h1.27 r270
U13: Bottom Overlay "*" at -17.568,15.699 h1.27 r53; Bottom 3D Body "*" at -17.543,14.273 h1.27 r53